# Altium PCB GE21_M1_pku_f100.PcbDoc (part 14 of 19)
Units mm, origin at the board's own origin, x right, y up, seen from the top; angles counter-clockwise.
Board outline 423.9 x 668.59 mm, 8 copper layers (Top Layer, Signal 1, DGNG1, POWER, AGND, DGND2, Signal 2, Bottom Layer), stack 1.03 mm thick; 171 components, 336 nets, 2040 pads, 4872 vias.
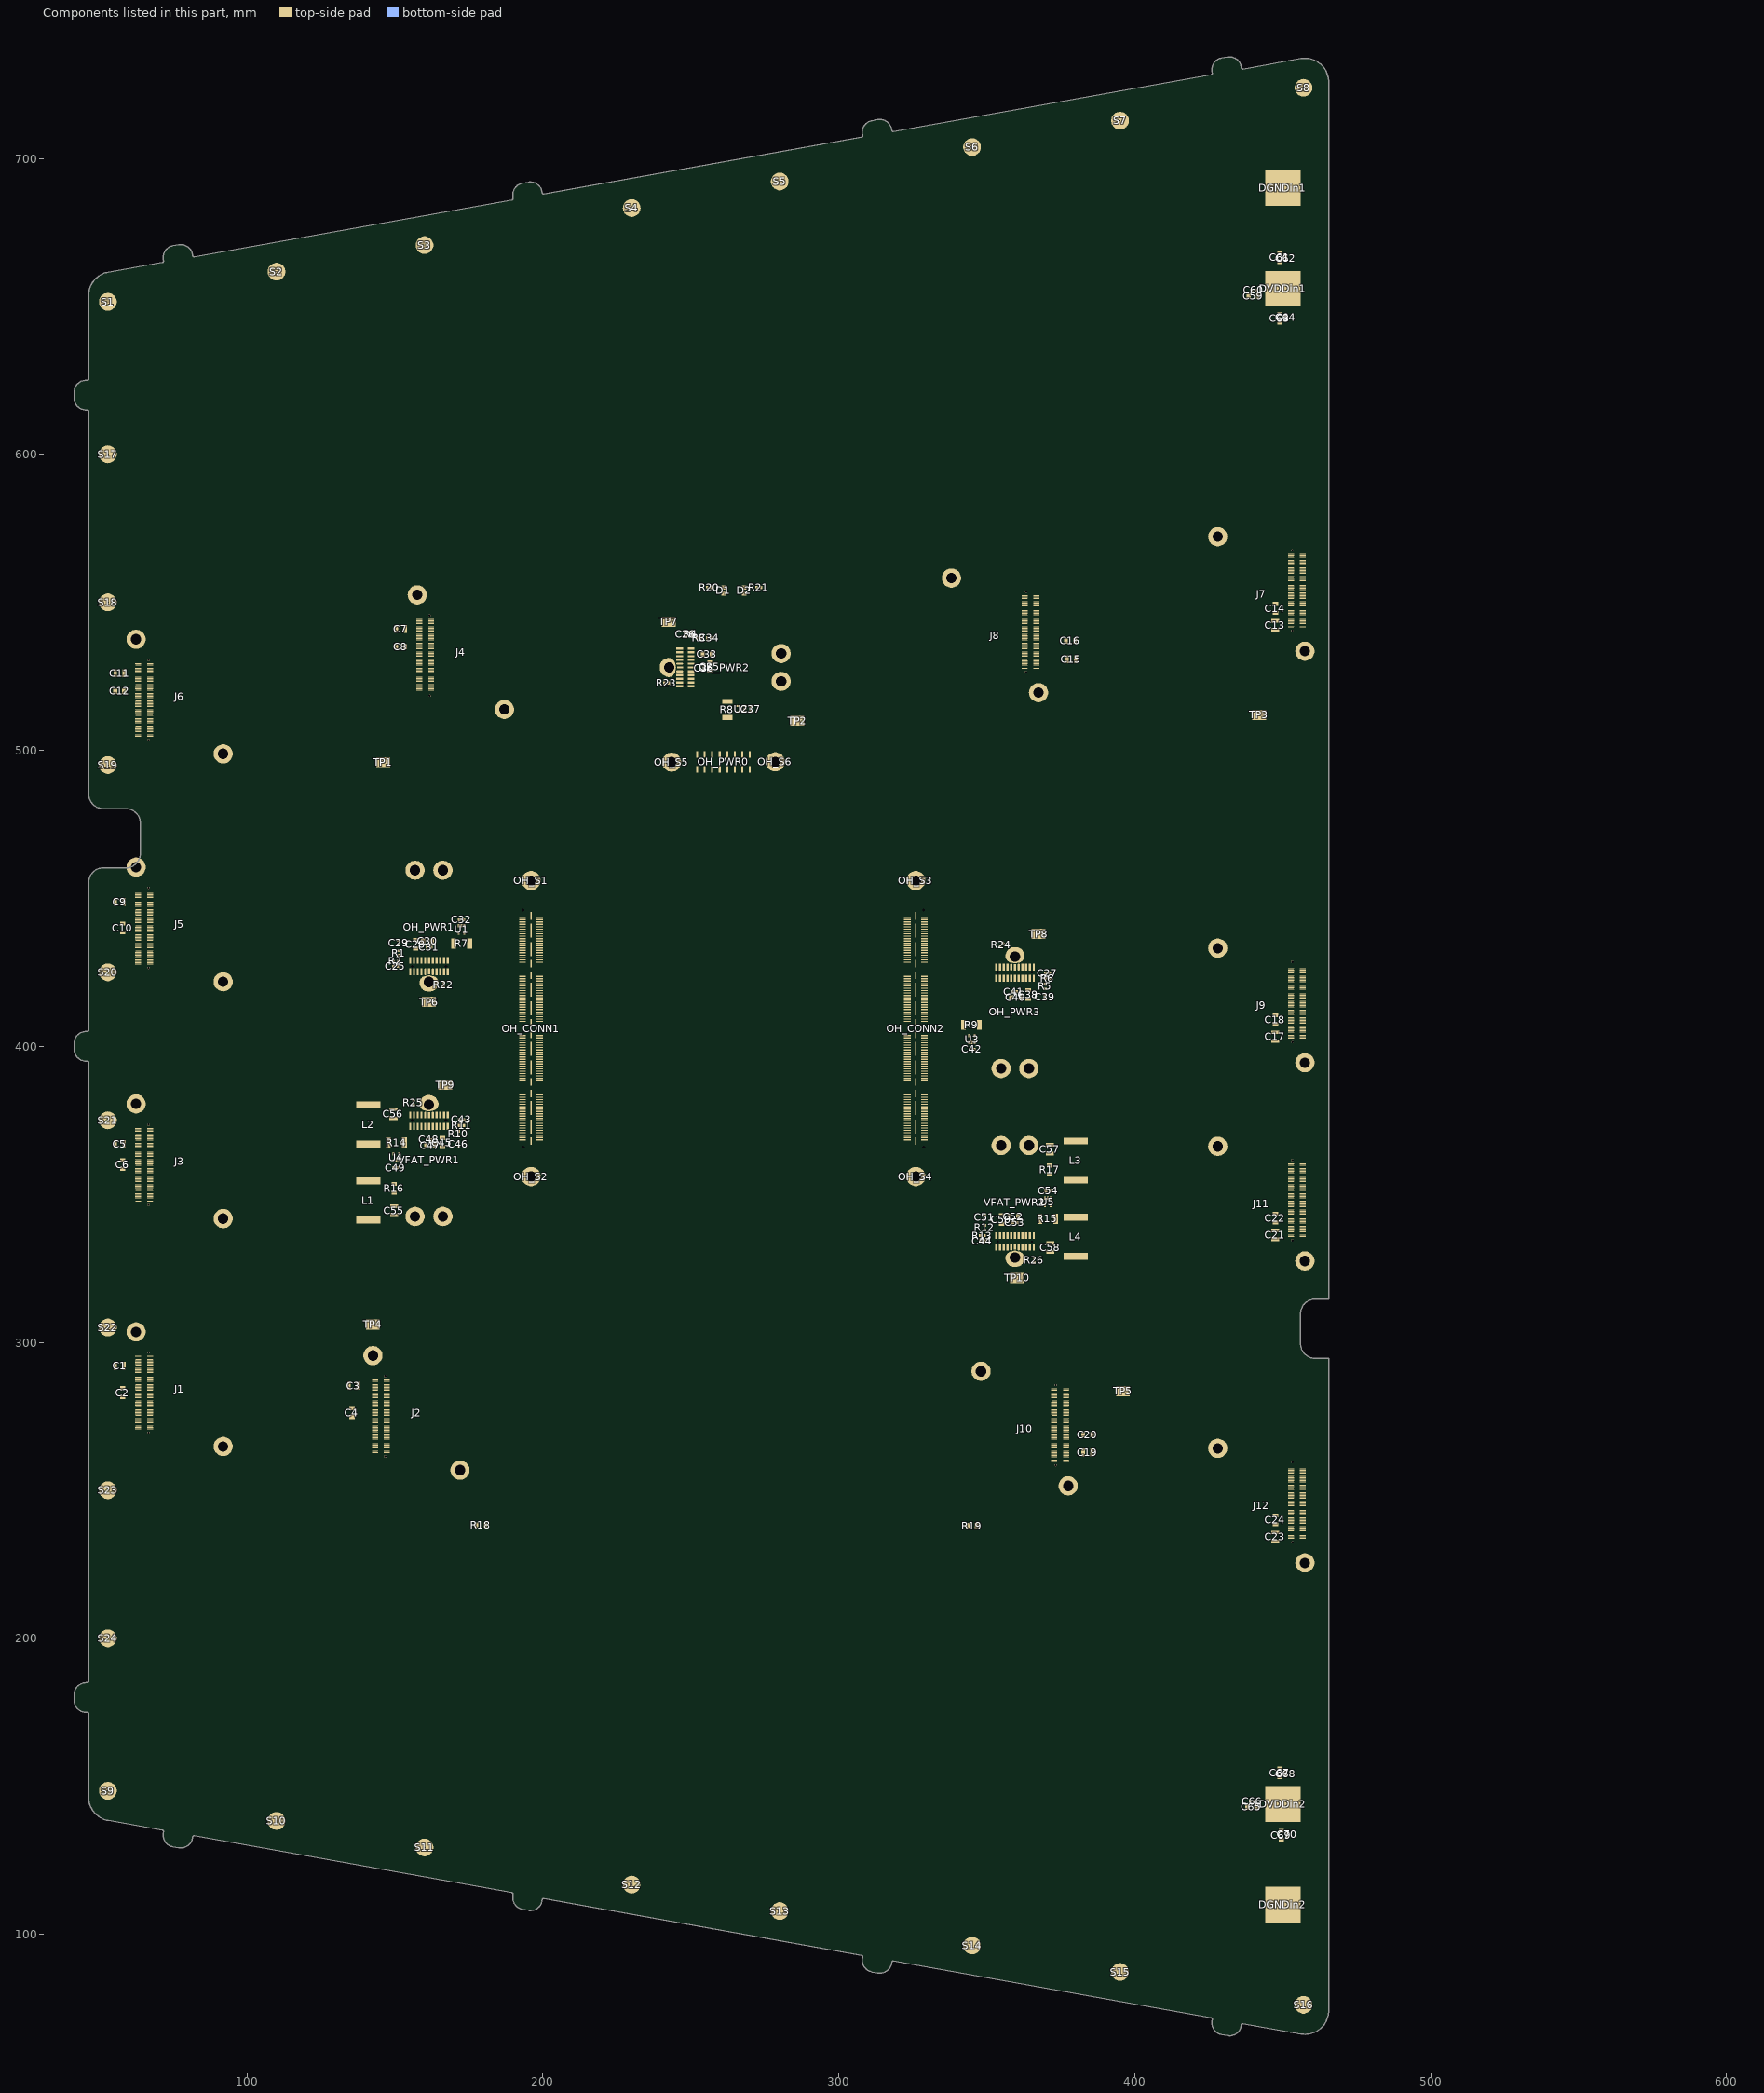
[diagram p20: the components of this part, seen from the top]

## Via types
v1: diameter 0.508, hole 0.203, Top Layer to Bottom Layer, tented both sides, 1688 vias
v2: diameter 0.402/0.402/0.402/0.201 (per signal layer), hole 0.201, Top Layer to Bottom Layer, tented both sides, 1040 vias
v3: diameter 0.507, hole 0.202, Top Layer to Bottom Layer, tented both sides, 780 vias
v4: diameter 0.4, hole 0, Top Layer to Bottom Layer, tented both sides, 438 vias
v5: diameter 0.4, hole 0.2, Top Layer to Bottom Layer, tented both sides, 288 vias
v6: diameter 0.51, hole 0.204, Top Layer to Bottom Layer, tented both sides, 288 vias
v7: diameter 0.6/0.4/0.4/0.4 (per signal layer), hole 0.3, Top Layer to Bottom Layer, tented both sides, 254 vias
v8: diameter 0.402, hole 0.201, Top Layer to Bottom Layer, tented both sides, 96 vias

## Nets (pads, with @x,y where several pads share a name; then routed paths per layer and width w, separated by ;. In a path a pad name is that pad's centre, name@x,y a point inside that pad or via, vN(x,y) a via of type N, cw(c..) or ccw(c..) an arc to the next point about the centre after c; other vN are vias at no path point) (continued)
copper on no net: (continued)
  Top Layer w0.025: 247.943,169.333 248.705,169.333 ; 247.943,170.527 252.414,170.527 ; 247.943,174.134 252.414,174.134 ; 247.969,150.029 252.388,150.029 ; 247.969,162.196 252.439,162.196 ; 247.969,164.863 249.747,164.863 ; 247.969,175.658 252.388,175.658 ; 247.994,167.047 249.747,167.047 ; 248.02,155.135 252.338,155.135 ; 248.02,156.329 248.807,156.329 ; 248.02,157.776 248.934,157.776 ; 248.02,157.802 248.959,157.802 ; 248.02,157.827 248.959,157.827 ; 248.02,157.853 248.985,157.853 ; 248.02,157.878 249.01,157.878 ; 248.02,157.903 249.036,157.903 ; 248.02,162.221 252.414,162.221 ; 248.02,164.888 249.747,164.888 ; 248.02,169.359 248.807,169.359 ; 248.02,170.553 252.338,170.553 ; 248.045,157.726 248.883,157.726 ; 248.045,157.751 248.909,157.751 ; 248.045,157.929 249.036,157.929 ; 248.045,157.954 249.061,157.954 ; 248.045,157.98 249.086,157.98 ; 248.045,158.005 249.112,158.005 ; 248.045,158.03 249.137,158.03 ; 248.045,158.056 249.163,158.056 ; 248.045,158.081 249.188,158.081 ; 248.045,162.247 252.363,162.247 ; 248.045,167.073 249.747,167.073 ; 248.07,151.528 252.287,151.528 ; 248.07,157.7 248.858,157.7 ; 248.07,158.107 249.213,158.107 ; 248.07,158.132 249.213,158.132 ; 248.07,158.157 249.239,158.157 ; 248.07,158.183 249.264,158.183 ; 248.07,158.208 249.264,158.208 ; 248.07,158.234 249.29,158.234 ; 248.07,162.272 252.338,162.272 ; 248.07,164.914 249.747,164.914 ; 248.07,174.159 252.287,174.159 ; 248.096,156.303 248.959,156.303 ; 248.096,157.675 248.832,157.675 ; 248.096,158.259 249.315,158.259 ; 248.096,158.284 249.315,158.284 ; 248.096,158.31 249.34,158.31 ; 248.096,158.335 249.34,158.335 ; 248.096,158.361 249.366,158.361 ; 248.096,167.098 249.747,167.098 ; 248.096,169.384 248.959,169.384 ; 248.121,150.004 252.211,150.004 ; 248.121,155.109 252.236,155.109 ; 248.121,157.649 248.782,157.649 ; 248.121,158.386 249.391,158.386 ; 248.121,158.411 249.391,158.411 ; 248.121,158.437 249.417,158.437 ; 248.121,158.462 249.417,158.462 ; 248.121,162.298 252.312,162.298 ; 248.121,164.939 249.747,164.939 ; 248.121,170.578 252.236,170.578 ; 248.147,157.624 248.756,157.624 ; 248.147,158.488 249.442,158.488 ; 248.147,158.513 249.442,158.513 ; 248.147,158.538 249.467,158.538 ; 248.147,158.564 249.467,158.564 ; 248.147,162.323 252.287,162.323 ; 248.147,167.124 249.747,167.124 ; 248.147,175.683 252.236,175.683 ; 248.172,156.278 249.086,156.278 ; 248.172,158.589 249.493,158.589 ; 248.172,158.615 249.493,158.615 ; 248.172,158.64 249.518,158.64 ; 248.172,162.348 252.236,162.348 ; 248.172,164.965 249.747,164.965 ; 248.172,169.41 249.086,169.41 ; 248.197,151.503 252.16,151.503 ; 248.197,155.084 252.16,155.084 ; 248.197,157.599 248.705,157.599 ; 248.197,158.665 249.518,158.665 ; 248.197,158.691 249.544,158.691 ; 248.197,158.716 249.544,158.716 ; 248.197,167.149 249.747,167.149 ; 248.197,174.185 252.16,174.185 ; 248.223,158.742 249.569,158.742 ; 248.223,158.767 249.569,158.767 ; 248.223,158.792 249.594,158.792 ; 248.223,162.374 252.211,162.374 ; 248.223,164.99 249.747,164.99 ; 248.223,170.603 252.16,170.603 ; 248.248,156.252 249.239,156.252 ; 248.248,158.818 249.62,158.818 ; 248.248,158.843 249.62,158.843 ; 248.248,158.869 249.645,158.869 ; 248.248,162.399 252.185,162.399 ; 248.248,167.174 249.747,167.174 ; 248.248,169.435 249.264,169.435 ; 248.274,158.894 249.645,158.894 ; 248.274,158.919 249.671,158.919 ; 248.274,162.425 252.134,162.425 ; 248.274,165.015 249.747,165.015 ; 248.299,149.979 252.058,149.979 ; 248.299,155.059 252.058,155.059 ; 248.299,157.573 248.655,157.573 ; 248.299,158.945 249.696,158.945 ; 248.299,158.97 249.696,158.97 ; 248.299,165.727 249.747,165.727 ; 248.299,170.629 252.058,170.629 ; 248.299,175.709 252.058,175.709 ; 248.324,158.996 249.721,158.996 ; 248.324,159.021 249.747,159.021 ; 248.324,159.046 249.772,159.046 ; 248.324,162.45 252.109,162.45 ; 248.324,165.041 249.747,165.041 ; 248.324,165.066 249.747,165.066 ; 248.324,167.2 249.747,167.2 ; 248.35,151.477 252.007,151.477 ; 248.35,156.227 249.442,156.227 ; 248.35,159.072 249.798,159.072 ; 248.35,159.097 249.823,159.097 ; 248.35,162.475 252.084,162.475 ; 248.35,165.092 249.747,165.092 ; 248.35,165.117 249.747,165.117 ; 248.35,165.701 249.747,165.701 ; 248.35,167.225 249.747,167.225 ; 248.35,169.46 249.467,169.46 ; 248.35,174.21 252.007,174.21 ; 248.375,159.123 249.848,159.123 ; 248.375,159.148 249.874,159.148 ; 248.375,159.173 249.899,159.173 ; 248.375,165.142 249.747,165.142 ; 248.375,165.168 249.747,165.168 ; 248.375,165.193 249.747,165.193 ; 248.375,165.219 249.747,165.219 ; 248.375,165.244 249.747,165.244 ; 248.375,165.371 249.747,165.371 ; 248.375,165.396 249.747,165.396 ; 248.375,165.422 249.747,165.422 ; 248.375,165.447 249.747,165.447 ; 248.375,165.473 249.747,165.473 ; 248.375,165.498 249.747,165.498 ; 248.375,165.523 249.747,165.523 ; 248.375,165.549 249.747,165.549 ; 248.375,165.574 249.747,165.574 ; 248.375,165.6 249.747,165.6 ; 248.375,165.625 249.747,165.625 ; 248.375,165.65 249.747,165.65 ; 248.375,165.676 249.747,165.676 ; 248.401,159.199 249.925,159.199 ; 248.401,162.501 252.033,162.501 ; 248.401,165.269 249.747,165.269 ; 248.401,165.295 249.747,165.295 ; 248.401,165.32 249.747,165.32 ; 248.401,165.346 249.747,165.346 ; 248.401,167.251 249.747,167.251 ; 248.426,155.033 251.931,155.033 ; 248.426,156.202 249.721,156.202 ; 248.426,159.224 249.975,159.224 ; 248.426,159.25 250.026,159.25 ; 248.426,159.275 250.077,159.275 ; 248.426,162.526 252.007,162.526 ; 248.426,167.276 249.747,167.276 ; 248.426,170.654 251.931,170.654 ; 248.451,159.3 250.255,159.3 ; 248.451,167.301 249.747,167.301 ; 248.451,169.486 249.721,169.486 ; 248.477,149.953 251.88,149.953 ; 248.477,159.326 252.058,159.326 ; 248.477,159.351 252.033,159.351 ; 248.477,162.552 251.982,162.552 ; 248.477,167.327 249.747,167.327 ; 248.477,167.352 249.747,167.352 ; 248.477,175.734 251.88,175.734 ; 248.502,159.377 252.007,159.377 ; 248.502,159.402 251.982,159.402 ; 248.502,162.577 251.957,162.577 ; 248.502,167.378 249.747,167.378 ; 248.502,167.403 249.747,167.403 ; 248.502,167.428 249.747,167.428 ; 248.528,151.452 251.855,151.452 ; 248.528,155.008 251.83,155.008 ; 248.528,156.176 251.83,156.176 ; 248.528,159.427 251.982,159.427 ; 248.528,159.453 251.957,159.453 ; 248.528,167.454 249.747,167.454 ; 248.528,167.479 249.747,167.479 ; 248.528,167.505 249.747,167.505 ; 248.528,167.53 249.747,167.53 ; 248.528,167.555 249.747,167.555 ; 248.528,170.68 251.83,170.68 ; 248.528,174.236 251.83,174.236 ; 248.553,159.478 251.931,159.478 ; 248.553,159.504 251.906,159.504 ; 248.553,162.602 251.931,162.602 ; 248.553,167.581 249.747,167.581 ; 248.553,167.606 249.747,167.606 ; 248.553,167.632 249.747,167.632 ; 248.553,167.657 249.747,167.657 ; 248.553,167.682 249.747,167.682 ; 248.553,167.708 249.747,167.708 ; 248.553,167.733 249.747,167.733 ; 248.553,167.759 249.747,167.759 ; 248.553,167.784 249.747,167.784 ; 248.553,167.809 249.747,167.809 ; 248.553,167.835 249.747,167.835 ; 248.553,167.86 249.747,167.86 ; 248.553,167.886 249.747,167.886 ; 248.553,167.911 249.747,167.911 ; 248.553,167.936 249.747,167.936 ; 248.553,167.962 249.747,167.962 ; 248.553,167.987 249.747,167.987 ; 248.553,168.013 249.747,168.013 ; 248.553,168.038 249.747,168.038 ; 248.553,168.063 249.747,168.063 ; 248.553,168.089 249.747,168.089 ; 248.553,168.114 249.747,168.114 ; 248.553,168.14 249.747,168.14 ; 248.553,168.165 249.747,168.165 ; 248.553,168.19 249.747,168.19 ; 248.553,168.216 249.747,168.216 ; 248.553,169.511 251.83,169.511 ; 248.578,159.529 251.906,159.529 ; 248.578,162.628 251.906,162.628 ; 248.578,168.241 249.747,168.241 ; 248.578,168.267 249.747,168.267 ; 248.578,168.292 249.747,168.292 ; 248.578,168.317 249.747,168.317 ; 248.604,159.554 251.88,159.554 ; 248.604,159.58 251.855,159.58 ; 248.604,168.343 249.747,168.343 ; 248.604,168.368 249.747,168.368 ; 248.629,152.849 249.112,152.849 ; 248.629,152.874 249.112,152.874 ; 248.629,152.9 249.112,152.9 ; 248.629,152.925 249.112,152.925 ; 248.629,152.95 249.112,152.95 ; 248.629,152.976 249.112,152.976 ; 248.629,153.001 249.112,153.001 ; 248.629,153.027 249.112,153.027 ; 248.629,153.052 249.112,153.052 ; 248.629,153.077 249.112,153.077 ; 248.629,156.151 251.728,156.151 ; 248.629,159.605 251.83,159.605 ; 248.629,159.631 251.83,159.631 ; 248.629,162.653 251.88,162.653 ; 248.629,168.394 249.721,168.394 ; 248.629,169.537 251.728,169.537 ; 248.655,152.798 249.137,152.798 ; 248.655,152.823 249.112,152.823 ; 248.655,153.103 249.112,153.103 ; 248.655,153.128 249.137,153.128 ; 248.655,153.154 249.137,153.154 ; 248.655,159.656 251.804,159.656 ; 248.655,168.419 249.721,168.419 ; 248.655,168.444 249.696,168.444 ; 248.68,149.928 251.677,149.928 ; 248.68,152.747 249.188,152.747 ; 248.68,152.773 249.163,152.773 ; 248.68,153.179 249.163,153.179 ; 248.68,153.204 249.163,153.204 ; 248.68,154.982 251.703,154.982 ; 248.68,159.681 251.779,159.681 ; 248.68,159.707 251.753,159.707 ; 248.68,162.679 251.855,162.679 ; 248.68,168.47 249.671,168.47 ; 248.68,170.705 251.677,170.705 ; 248.68,175.76 251.677,175.76 ; 248.705,151.426 251.652,151.426 ; 248.705,152.722 249.213,152.722 ; 248.705,153.23 249.188,153.23 ; 248.705,153.255 249.213,153.255 ; 248.705,159.732 251.728,159.732 ; 248.705,162.704 251.804,162.704 ; 248.705,168.495 249.645,168.495 ; 248.705,174.261 251.652,174.261 ; 248.731,152.671 249.315,152.671 ; 248.731,152.696 249.239,152.696 ; 248.731,153.281 249.239,153.281 ; 248.731,159.758 251.728,159.758 ; 248.731,159.783 251.703,159.783 ; 248.756,152.646 250.052,152.646 ; 248.756,153.306 249.264,153.306 ; 248.756,153.331 249.315,153.331 ; 248.756,153.916 249.213,153.916 ; 248.756,153.941 249.239,153.941 ; 248.756,153.966 249.239,153.966 ; 248.756,156.125 251.601,156.125 ; 248.756,159.808 251.677,159.808 ; 248.756,162.729 251.779,162.729 ; 248.756,168.521 249.62,168.521 ; 248.756,169.562 251.601,169.562 ; 248.782,152.62 250.026,152.62 ; 248.782,153.357 249.925,153.357 ; 248.782,153.839 249.213,153.839 ; 248.782,153.865 249.213,153.865 ; 248.782,153.89 249.213,153.89 ; 248.782,153.992 249.264,153.992 ; 248.782,154.017 249.264,154.017 ; 248.782,159.834 251.652,159.834 ; 248.782,159.859 251.626,159.859 ; 248.807,152.595 250.001,152.595 ; 248.807,153.382 249.925,153.382 ; 248.807,153.789 249.213,153.789 ; 248.807,153.814 249.213,153.814 ; 248.807,154.043 249.29,154.043 ; 248.807,154.068 249.29,154.068 ; 248.807,154.957 251.55,154.957 ; 248.807,159.885 251.626,159.885 ; 248.807,162.755 251.728,162.755 ; 248.807,168.546 249.569,168.546 ; 248.807,170.73 251.55,170.73 ; 248.832,153.738 249.239,153.738 ; 248.832,153.763 249.239,153.763 ; 248.832,154.093 249.315,154.093 ; 248.832,159.91 251.601,159.91 ; 248.832,159.935 251.576,159.935 ; 248.832,162.78 251.677,162.78 ; 248.858,152.569 250.001,152.569 ; 248.858,153.408 249.925,153.408 ; 248.858,153.712 249.264,153.712 ; 248.858,154.119 249.366,154.119 ; 248.858,154.144 250.077,154.144 ; 248.858,159.961 251.55,159.961 ; 248.883,149.902 251.474,149.902 ; 248.883,152.544 249.975,152.544 ; 248.883,153.662 249.315,153.662 ; 248.883,153.687 249.264,153.687 ; 248.883,154.17 250.077,154.17 ; 248.883,156.1 251.474,156.1 ; 248.883,159.986 251.525,159.986 ; 248.883,162.806 251.626,162.806 ; 248.883,168.571 249.518,168.571 ; 248.883,169.587 251.474,169.587 ; 248.909,151.401 251.449,151.401 ; 248.909,153.433 249.925,153.433 ; 248.909,153.611 249.366,153.611 ; 248.909,153.636 249.34,153.636 ; 248.909,154.195 250.052,154.195 ; 248.909,160.012 251.499,160.012 ; 248.909,174.286 251.449,174.286 ; 248.909,175.785 251.474,175.785 ; 248.934,152.519 249.95,152.519 ; 248.934,153.458 249.925,153.458 ; 248.934,153.484 249.975,153.484 ; 248.934,153.509 250.001,153.509 ; 248.934,153.535 250.026,153.535 ; 248.934,153.56 250.052,153.56 ; 248.934,153.585 249.442,153.585 ; 248.934,154.22 250.026,154.22 ; 248.934,154.932 251.423,154.932 ; 248.934,160.037 251.474,160.037 ; 248.934,160.062 251.474,160.062 ; 248.934,162.831 251.576,162.831 ; 248.934,173.22 249.493,173.22 ; 248.934,173.245 249.442,173.245 ; 248.934,173.27 249.417,173.27 ; 248.959,154.246 249.975,154.246 ; 248.959,160.088 251.449,160.088 ; 248.959,170.756 251.398,170.756 ; 248.959,171.848 249.391,171.848 ; 248.959,171.873 249.391,171.873 ; 248.959,171.899 249.391,171.899 ; 248.959,171.924 249.391,171.924 ; 248.959,171.95 249.391,171.95 ; 248.959,171.975 249.391,171.975 ; 248.959,172 249.391,172 ; 248.959,172.026 249.391,172.026 ; 248.959,172.051 249.391,172.051 ; 248.959,172.077 249.391,172.077 ; 248.959,172.102 249.391,172.102 ; 248.959,172.127 249.391,172.127 ; 248.959,172.153 249.391,172.153 ; 248.959,172.178 249.391,172.178 ; 248.959,172.204 249.391,172.204 ; 248.959,172.229 249.366,172.229 ; 248.959,172.254 249.366,172.254 ; 248.959,172.28 249.366,172.28 ; 248.959,172.305 249.366,172.305 ; 248.959,172.331 249.366,172.331 ; 248.959,172.356 249.391,172.356 ; 248.959,172.381 249.391,172.381 ; 248.959,172.407 249.417,172.407 ; 248.959,172.432 249.442,172.432 ; 248.959,172.458 250.001,172.458 ; 248.959,172.483 249.975,172.483 ; 248.959,172.508 249.975,172.508 ; 248.959,172.534 249.95,172.534 ; 248.959,172.559 249.925,172.559 ; 248.959,172.585 249.925,172.585 ; 248.959,172.61 249.899,172.61 ; 248.959,172.635 249.874,172.635 ; 248.959,172.661 249.874,172.661 ; 248.959,172.686 249.848,172.686 ; 248.959,172.712 249.848,172.712 ; 248.959,172.737 249.823,172.737 ; 248.959,172.762 249.798,172.762 ; 248.959,172.788 249.798,172.788 ; 248.959,172.813 249.772,172.813 ; 248.959,172.839 249.772,172.839 ; 248.959,172.864 249.747,172.864 ; 248.959,172.889 249.721,172.889 ; 248.959,172.915 249.721,172.915 ; 248.959,172.94 249.696,172.94 ; 248.959,172.966 249.696,172.966 ; 248.959,172.991 249.671,172.991 ; 248.959,173.016 249.645,173.016 ; 248.959,173.042 249.645,173.042 ; 248.959,173.067 249.62,173.067 ; 248.959,173.093 249.594,173.093 ; 248.959,173.118 249.569,173.118 ; 248.959,173.143 249.569,173.143 ; 248.959,173.169 249.544,173.169 ; 248.959,173.194 249.518,173.194 ; 248.959,173.296 249.366,173.296 ; 248.985,152.493 249.925,152.493 ; 248.985,154.271 249.95,154.271 ; 248.985,160.113 251.423,160.113 ; 248.985,162.856 251.499,162.856 ; 248.985,171.442 249.391,171.442 ; 248.985,171.467 249.417,171.467 ; 248.985,171.492 249.391,171.492 ; 248.985,171.518 249.391,171.518 ; 248.985,171.543 249.391,171.543 ; 248.985,171.569 249.391,171.569 ; 248.985,171.594 249.391,171.594 ; 248.985,171.619 249.391,171.619 ; 248.985,171.645 249.391,171.645 ; 248.985,171.67 249.391,171.67 ; 248.985,171.696 249.391,171.696 ; 248.985,171.721 249.391,171.721 ; 248.985,171.746 249.391,171.746 ; 248.985,171.772 249.391,171.772 ; 248.985,171.797 249.391,171.797 ; 248.985,171.823 249.391,171.823 ; 249.01,154.297 249.899,154.297 ; 249.01,156.075 251.347,156.075 ; 249.01,160.139 251.398,160.139 ; 249.01,160.164 251.372,160.164 ; 249.01,169.613 251.347,169.613 ; 249.01,173.321 249.315,173.321 ; 249.036,152.468 249.899,152.468 ; 249.036,154.322 249.823,154.322 ; 249.036,160.189 251.347,160.189 ; 249.036,162.882 251.449,162.882 ; 249.036,171.416 249.34,171.416 ; 249.061,160.215 251.322,160.215 ; 249.086,152.442 249.848,152.442 ; 249.086,160.24 251.296,160.24 ; 249.086,162.907 251.372,162.907 ; 249.112,154.347 249.696,154.347 ; 249.112,160.266 251.271,160.266 ; 249.137,154.906 251.22,154.906 ; 249.137,160.291 251.271,160.291 ; 249.137,160.316 251.245,160.316 ; 249.137,162.933 251.322,162.933 ; 249.163,151.376 251.195,151.376 ; 249.163,156.049 251.195,156.049 ; 249.163,160.342 251.22,160.342 ; 249.163,169.638 251.195,169.638 ; 249.163,170.781 251.195,170.781 ; 249.163,174.312 251.195,174.312 ; 249.188,160.367 251.195,160.367 ; 249.188,162.958 251.245,162.958 ; 249.213,149.877 251.144,149.877 ; 249.213,160.393 251.169,160.393 ; 249.213,175.81 251.144,175.81 ; 249.239,160.418 251.144,160.418 ; 249.239,162.983 251.195,162.983 ; 249.264,160.443 251.118,160.443 ; 249.29,160.469 251.093,160.469 ; 249.29,163.009 251.144,163.009 ; 249.315,160.494 251.068,160.494 ; 249.34,160.52 251.042,160.52 ; 249.34,169.664 250.991,169.664 ; 249.366,152.417 249.772,152.417 ; 249.366,154.881 250.991,154.881 ; 249.366,156.024 250.991,156.024 ; 249.366,160.545 251.017,160.545 ; 249.366,163.034 251.118,163.034 ; 249.366,170.807 250.991,170.807 ; 249.391,160.57 250.991,160.57 ; 249.391,163.06 251.068,163.06 ; 249.417,160.596 250.966,160.596 ; 249.417,163.085 251.042,163.085 ; 249.442,153.331 249.95,153.331 ; 249.442,160.621 250.941,160.621 ; 249.442,163.11 251.017,163.11 ; 249.442,163.136 250.991,163.136 ; 249.467,151.35 250.89,151.35 ; 249.467,160.647 250.915,160.647 ; 249.467,163.161 250.991,163.161 ; 249.467,163.187 250.966,163.187 ; 249.467,174.337 250.89,174.337 ; 249.493,152.671 250.077,152.671 ; 249.493,160.672 250.89,160.672 ; 249.493,163.212 250.966,163.212 ; 249.493,163.237 250.941,163.237 ; 249.493,163.263 250.941,163.263 ; 249.493,163.288 250.941,163.288 ; 249.493,163.314 250.941,163.314 ; 249.493,163.339 250.941,163.339 ; 249.493,163.364 250.941,163.364 ; 249.493,163.39 250.941,163.39 ; 249.493,172.432 250.026,172.432 ; 249.518,153.306 249.975,153.306 ; 249.518,160.697 250.839,160.697 ; 249.518,161.84 250.763,161.84 ; 249.518,163.415 250.941,163.415 ; 249.518,163.441 250.941,163.441 ; 249.518,163.466 250.941,163.466 ; 249.518,163.491 250.941,163.491 ; 249.518,163.517 250.941,163.517 ; 249.518,163.542 250.966,163.542 ; 249.518,163.568 250.966,163.568 ; 249.518,163.593 250.966,163.593 ; 249.544,152.696 250.077,152.696 ; 249.544,153.585 250.052,153.585 ; 249.544,160.723 250.814,160.723 ; 249.544,160.748 250.788,160.748 ; 249.544,160.774 250.763,160.774 ; 249.544,160.799 250.763,160.799 ; 249.544,160.824 250.737,160.824 ; 249.544,160.85 250.737,160.85 ; 249.544,160.875 250.737,160.875 ; 249.544,160.901 250.737,160.901 ; 249.544,160.926 250.737,160.926 ; 249.544,160.951 250.737,160.951 ; 249.544,160.977 250.737,160.977 ; 249.544,161.002 250.737,161.002 ; 249.544,161.028 250.737,161.028 ; 249.544,161.053 250.737,161.053 ; 249.544,161.078 250.737,161.078 ; 249.544,161.104 250.737,161.104 ; 249.544,161.129 250.737,161.129 ; 249.544,161.155 250.737,161.155 ; 249.544,161.18 250.737,161.18 ; 249.544,161.205 250.737,161.205 ; 249.544,161.231 250.737,161.231 ; 249.544,161.256 250.737,161.256 ; 249.544,161.282 250.737,161.282 ; 249.544,161.307 250.737,161.307 ; 249.544,161.332 250.737,161.332 ; 249.544,161.358 250.737,161.358 ; 249.544,161.383 250.737,161.383 ; 249.544,161.409 250.737,161.409 ; 249.544,161.434 250.737,161.434 ; 249.544,161.459 250.737,161.459 ; 249.544,161.485 250.737,161.485 ; 249.544,161.51 250.737,161.51 ; 249.544,161.536 250.737,161.536 ; 249.544,161.561 250.737,161.561 ; 249.544,161.586 250.737,161.586 ; 249.544,161.612 250.712,161.612 ; 249.544,161.637 250.712,161.637 ; 249.544,161.663 250.712,161.663 ; 249.544,161.688 250.712,161.688 ; 249.544,161.713 250.712,161.713 ; 249.544,161.739 250.712,161.739 ; 249.544,161.764 250.712,161.764 ; 249.544,161.79 250.737,161.79 ; 249.544,161.815 250.737,161.815 ; 249.544,163.618 250.966,163.618 ; 249.544,163.644 250.941,163.644 ; 249.544,172.407 250.052,172.407 ; 249.569,153.281 249.975,153.281 ; 249.569,163.669 250.915,163.669 ; 249.569,163.695 250.915,163.695 ; 249.569,172.381 250.077,172.381 ; 249.594,152.722 250.077,152.722 ; 249.594,153.255 250.001,153.255 ; 249.594,153.611 250.077,153.611 ; 249.594,154.119 250.102,154.119 ; 249.594,163.72 250.89,163.72 ; 249.594,163.745 250.864,163.745 ; 249.594,172.356 250.102,172.356 ; 249.62,149.852 250.712,149.852 ; 249.62,152.747 250.102,152.747 ; 249.62,152.773 250.102,152.773 ; 249.62,153.23 250.052,153.23 ; 249.62,153.636 250.102,153.636 ; 249.62,155.998 250.737,155.998 ; 249.62,172.331 250.153,172.331 ; 249.62,175.836 250.712,175.836 ; 249.645,152.798 250.128,152.798 ; 249.645,152.823 250.128,152.823 ; 249.645,153.179 250.102,153.179 ; 249.645,153.204 250.077,153.204 ; 249.645,154.093 250.128,154.093 ; 249.645,163.771 250.814,163.771 ; 249.645,169.689 250.712,169.689 ; 249.645,172.305 250.712,172.305 ; 249.671,152.849 250.128,152.849 ; 249.671,152.874 250.128,152.874 ; 249.671,152.9 250.128,152.9 ; 249.671,152.925 250.128,152.925 